# Altium PCB GE21_M1_pku_f100.PcbDoc (part 1 of 19) (continued)
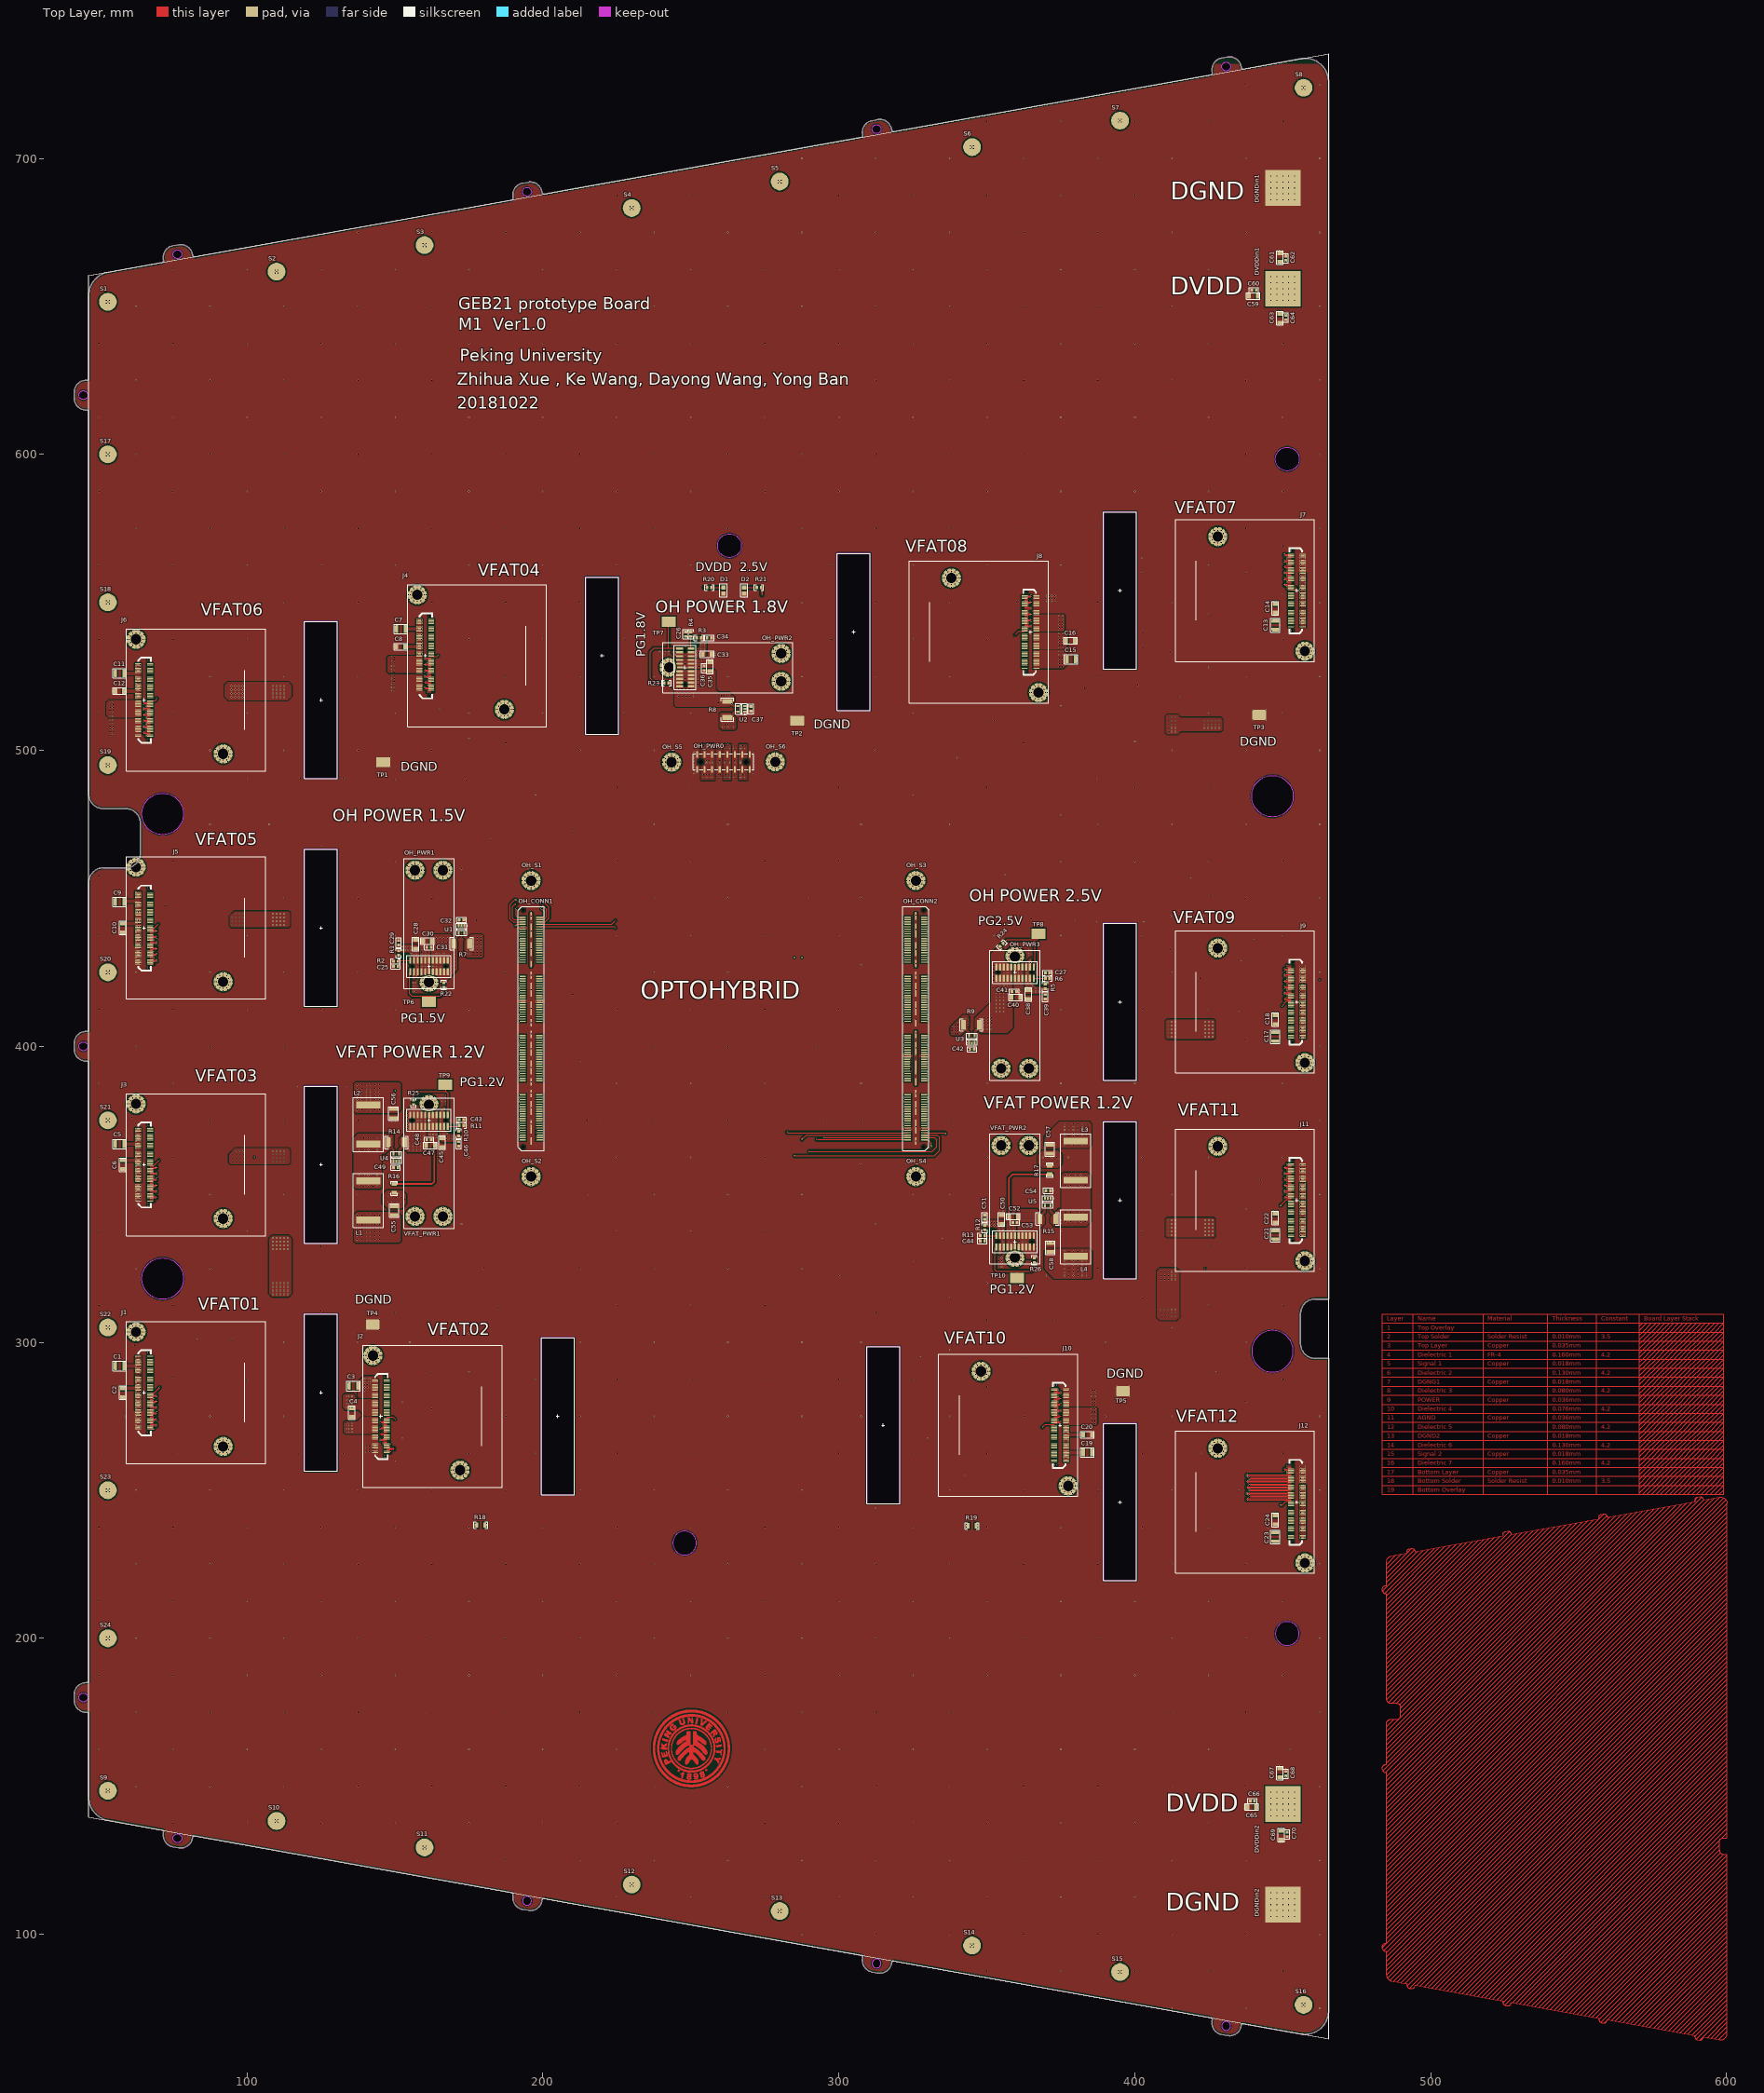
[diagram p0: Top Layer view]
## Footprints (in the part's own frame and the unit in brackets; to place one, negate y for a bottom-side part, rotate by r counter-clockwise, add the part's x,y. Pads: shape width x height; smd on the part's side, far side on the other; paste and mask are expansions set on the pad)
C0603 [mm]
  rect 0.9x1 smd: 1(-0.75,0) 2(0.75,0)
  silkscreen extent -1.6,-0.9 1.6,0.9
C1206 [mm]
  rect 1.3x1.8 smd: 1(-1.5,0) 2(1.5,0)
  silkscreen extent -2.3,-1.1 2.3,1.1
C1210 [mm]
  rect 1.2x2.7 smd: 1(-1.5,0) 2(1.5,0)
  silkscreen extent -2.3,-1.6 2.3,1.6
CuurentSense2512 [mm]
  rect 1.6x3.4 smd: 1(-2.7,0) 2(2.7,0)
  silkscreen extent -3.9,-2.1 3.9,2.1
EYELET-pku-M1 [mm]
  round 6 / inner round 2 / far side round 2 hole 0.201: 1(0,0)
FEAST-pku-M1-2 [mil]
  oval 240.16x208.66 / inner oval 240.16x208.66 / far side round 78.74 all layers, no hole: 0(0,230.31)
  oval 255.91x177.17 / inner oval 255.91x177.17 / far side round 78.74 all layers, no hole: 0(0,216.54)
  rect 29x90.31 smd mask+0.63: 1(250,70.16) 2(200,70.16) 3(150,70.16) 4(100,70.16) 8(-100,70.16) 9(-150,70.16) 10(-200,70.16) 11(-250,70.16) 12(250,-80) 13(200,-80) 14(150,-80) 15(100,-80) 16(50,-80) 17(0,-80) 18(-50,-80) 19(-100,-80) 20(-150,-80) 21(-200,-80) 22(-250,-80)
  oct 29x90.31 smd mask+0.63: 5(50,70.16) 7(-50,70.16)
  rect 29x82.44 smd mask+0.63: 6(0,66.22)
  round 19.68 hole 40 unplated: 23(-225,0) 24(225,0)
  round 177.17 / inner round 177.17 / far side round 137.8 hole 137.8 unplated paste+0: 25(0,208.27)
  round 255.91 / inner round 255.91 / far side round 137.8 hole 137.8 unplated paste+0: 26(-185.04,-1279.13) 27(185.04,-1279.13)
  silkscreen extent -335,-1437 335,295
HW-08-16-F-D-290-SM [mm]
  rect 2.2x0.65 smd: 1(2.5,-8.89) 2(-2.5,-8.89) 3(2.5,-6.35) 4(-2.5,-6.35) 5(2.5,-3.81) 6(-2.5,-3.81) 7(2.5,-1.27) 8(-2.5,-1.27) 9(2.5,1.27) 10(-2.5,1.27) 11(2.5,3.81) 12(-2.5,3.81) 13(2.5,6.35) 14(-2.5,6.35) 15(2.5,8.89) 16(-2.5,8.89)
  round 0.5 hole 1.65 unplated: ""(-0.013,-7.62) ""(0,7.62)
  silkscreen extent -2.67,-10.29 2.67,10.29, body extent -3.3,-10.16 3.28,10.16, height 3.67
Inductor_500nh [mm]
  rect 2.29x8.26 smd: 1(0,0) 2(13.2,0)
  silkscreen extent -2.5,-5.1 15.7,5.1
L0805 [mm]
  rect 1.4x1.5 smd: 1(-1,0) 2(1,0)
  silkscreen extent -2.2,-1.25 2.2,1.25, body extent -1.07,-0.7 1.08,0.7, height 0.7
R0603 [mm]
  rect 0.9x1 smd: 1(-0.75,0) 2(0.75,0)
  silkscreen extent -1.6,-0.9 1.6,0.9
R1206 [mm]
  rect 1.3x1.8 smd: 1(-1.5,0) 2(1.5,0)
  silkscreen extent -2.4,-1.1 2.4,1.1
SAMTEC-160 [mm]
  rect 2.27x0.41 smd: 1(2.865,37.6) 2(-2.865,37.6) 3(2.865,36.8) 4(-2.865,36.8) 5(2.865,36) 6(-2.865,36) 7(2.865,35.2) 8(-2.865,35.2) 9(2.865,34.4) 10(-2.865,34.4) 11(2.865,33.6) 12(-2.865,33.6) 13(2.865,32.8) 14(-2.865,32.8) 15(2.865,32) 16(-2.865,32) 17(2.865,31.2) 18(-2.865,31.2) 19(2.865,30.4) 20(-2.865,30.4) 21(2.865,29.6) 22(-2.865,29.6) 23(2.865,28.8) 24(-2.865,28.8) 25(2.865,28) 26(-2.865,28) 27(2.865,27.2) 28(-2.865,27.2) 29(2.865,26.4) 30(-2.865,26.4) 31(2.865,25.6) 32(-2.865,25.6) 33(2.865,24.8) 34(-2.865,24.8) 35(2.865,24) 36(-2.865,24) 37(2.865,23.2) 38(-2.865,23.2) 39(2.865,22.4) 40(-2.865,22.4) 41(2.865,17.6) 42(-2.865,17.6) 43(2.865,16.8) 44(-2.865,16.8) 45(2.865,16) 46(-2.865,16) 47(2.865,15.2) 48(-2.865,15.2) 49(2.865,14.4) 50(-2.865,14.4) 51(2.865,13.6) 52(-2.865,13.6) 53(2.865,12.8) 54(-2.865,12.8) 55(2.865,12) 56(-2.865,12) 57(2.865,11.2) 58(-2.865,11.2) 59(2.865,10.4) 60(-2.865,10.4) 61(2.865,9.6) 62(-2.865,9.6) 63(2.865,8.8) 64(-2.865,8.8) 65(2.865,8) 66(-2.865,8) 67(2.865,7.2) 68(-2.865,7.2) 69(2.865,6.4) 70(-2.865,6.4) 71(2.865,5.6) 72(-2.865,5.6) 73(2.865,4.8) 74(-2.865,4.8) 75(2.865,4) 76(-2.865,4) 77(2.865,3.2) 78(-2.865,3.2) 79(2.865,2.4) 80(-2.865,2.4) 81(2.865,-2.4) 82(-2.865,-2.4) 83(2.865,-3.2) 84(-2.865,-3.2) 85(2.865,-4) 86(-2.865,-4) 87(2.865,-4.8) 88(-2.865,-4.8) 89(2.865,-5.6) 90(-2.865,-5.6) 91(2.865,-6.4) 92(-2.865,-6.4) 93(2.865,-7.2) 94(-2.865,-7.2) 95(2.865,-8) 96(-2.865,-8) 97(2.865,-8.8) 98(-2.865,-8.8) 99(2.865,-9.6) 100(-2.865,-9.6) 101(2.865,-10.4) 102(-2.865,-10.4) 103(2.865,-11.2) 104(-2.865,-11.2) 105(2.865,-12) 106(-2.865,-12) 107(2.865,-12.8) 108(-2.865,-12.8) 109(2.865,-13.6) 110(-2.865,-13.6) 111(2.865,-14.4) 112(-2.865,-14.4) 113(2.865,-15.2) 114(-2.865,-15.2) 115(2.865,-16) 116(-2.865,-16) 117(2.865,-16.8) 118(-2.865,-16.8) 119(2.865,-17.6) 120(-2.865,-17.6) 121(2.865,-22.4) 122(-2.865,-22.4) 123(2.865,-23.2) 124(-2.865,-23.2) 125(2.865,-24) 126(-2.865,-24) 127(2.865,-24.8) 128(-2.865,-24.8) 129(2.865,-25.6) 130(-2.865,-25.6) 131(2.865,-26.4) 132(-2.865,-26.4) 133(2.865,-27.2) 134(-2.865,-27.2) 135(2.865,-28) 136(-2.865,-28) 137(2.865,-28.8) 138(-2.865,-28.8) 139(2.865,-29.6) 140(-2.865,-29.6) 141(2.865,-30.4) 142(-2.865,-30.4) 143(2.865,-31.2) 144(-2.865,-31.2) 145(2.865,-32) 146(-2.865,-32) 147(2.865,-32.8) 148(-2.865,-32.8) 149(2.865,-33.6) 150(-2.865,-33.6) 151(2.865,-34.4) 152(-2.865,-34.4) 153(2.865,-35.2) 154(-2.865,-35.2) 155(2.865,-36) 156(-2.865,-36) 157(2.865,-36.8) 158(-2.865,-36.8) 159(2.865,-37.6) 160(-2.865,-37.6)
  rect 0.43x2.54 smd: 161(0,38.065) 164(0,21.935) 165(0,18.065) 168(0,1.935) 169(0,-1.935) 172(0,-18.065) 173(0,-21.935) 176(0,-38.065)
  rect 0.43x4.7 smd: 162(0,33.175) 163(0,26.825) 166(0,13.175) 167(0,6.825) 170(0,-6.825) 171(0,-13.175) 174(0,-26.825) 175(0,-33.175)
  round 0 hole 1.02 unplated: 177(-2.67,40.065) 178(-2.67,-40.065)
  silkscreen extent -4.4,-41.2 4.4,41.2
SOLDERPAD [mm]
  rect 12x12 smd: 1(0,0)
sot23-5 [mm]
  rect 1.1x0.65 smd: 1(1.2,-0.95) 3(1.2,0.95) 4(-1.2,0.95) 5(-1.2,-0.95)
  rect 1.1x0.63 smd: 2(1.2,0)
  silkscreen extent -2,-1.95 2,1.8, body extent -1.4,-1.55 1.4,1.55, height 1.45
Standoff-pku-M1-2 [mm]
  round 6.5 / inner round 6.5 / far side round 3.5 hole 3.5 unplated paste+0: 1(0,0)
TP_GEB [mm]
  rect 3.43x4.7 smd: 1(0,0)
VFAT-pku-M1-3 [mm]
  rrect50% 0.25x2 smd mask+0: 1(-12.25,-61.75) 2(-12.25,-57.75) 3(-11.75,-61.75) 4(-11.75,-57.75) 5(-11.25,-61.75) 6(-11.25,-57.75) 7(-10.75,-61.75) 8(-10.75,-57.75) 9(-10.25,-61.75) 10(-10.25,-57.75) 11(-9.75,-61.75) 12(-9.75,-57.75) 13(-9.25,-61.75) 14(-9.25,-57.75) 15(-8.75,-61.75) 16(-8.75,-57.75) 17(-8.25,-61.75) 18(-8.25,-57.75) 19(-7.75,-61.75) 20(-7.75,-57.75) 21(-7.25,-61.75) 22(-7.25,-57.75) 23(-6.75,-61.75) 24(-6.75,-57.75) 25(-6.25,-61.75) 26(-6.25,-57.75) 27(-5.75,-61.75) 28(-5.75,-57.75) 29(-5.25,-61.75) 30(-5.25,-57.75) 31(-4.75,-61.75) 32(-4.75,-57.75) 33(-4.25,-61.75) 34(-4.25,-57.75) 35(-3.75,-61.75) 36(-3.75,-57.75) 37(-3.25,-61.75) 38(-3.25,-57.75) 39(-2.75,-61.75) 40(-2.75,-57.75) 41(-2.25,-61.75) 42(-2.25,-57.75) 43(-1.75,-61.75) 44(-1.75,-57.75) 45(-1.25,-61.75) 46(-1.25,-57.75) 47(-0.75,-61.75) 48(-0.75,-57.75) 49(-0.25,-61.75) 50(-0.25,-57.75) 51(0.25,-61.75) 52(0.25,-57.75) 53(0.75,-61.75) 54(0.75,-57.75) 55(1.25,-61.75) 56(1.25,-57.75) 57(1.75,-61.75) 58(1.75,-57.75) 59(2.25,-61.75) 60(2.25,-57.75) 61(2.75,-61.75) 62(2.75,-57.75) 63(3.25,-61.75) 64(3.25,-57.75) 65(3.75,-61.75) 66(3.75,-57.75) 67(4.25,-61.75) 68(4.25,-57.75) 69(4.75,-61.75) 70(4.75,-57.75) 71(5.25,-61.75) 72(5.25,-57.75) 73(5.75,-61.75) 74(5.75,-57.75) 75(6.25,-61.75) 76(6.25,-57.75) 77(6.75,-61.75) 78(6.75,-57.75) 79(7.25,-61.75) 80(7.25,-57.75) 81(7.75,-61.75) 82(7.75,-57.75) 83(8.25,-61.75) 84(8.25,-57.75) 85(8.75,-61.75) 86(8.75,-57.75) 87(9.25,-61.75) 88(9.25,-57.75) 89(9.75,-61.75) 90(9.75,-57.75) 91(10.25,-61.75) 92(10.25,-57.75) 93(10.75,-61.75) 94(10.75,-57.75) 95(11.25,-61.75) 96(11.25,-57.75) 97(11.75,-61.75) 98(11.75,-57.75) 99(12.25,-61.75) 100(12.25,-57.75)
  round 0.75 hole 0.75 unplated mask+0: 101(-13.55,-58.25) 102(13.55,-58.25)
  round 6.5 / inner round 6.5 / far side round 3.5 hole 3.5 unplated paste+0: 103(-20.52,-62.462) 104(18.19,-33.022)
  Keep-Out Layer board cut-out: -26.5,5.6 -26.5,-5.6 26.5,-5.6 26.5,5.6
  silkscreen extent -26.5,-67.75 26.5,5.6

## Part data
C1 C2 C3 C4 C5 C6 C7 C8 C9 C10 C11 C12 C13 C14 C15 C16 C17 C18 C19 C20 C21 C22 C23 C24 C25 C26 C27 C28 C29 C30 C31 C32 C33 C34 C35 C36 C37 C38 C39 C40 C41 C42 C43 C44 C45 C46 C47 C48 C49 C50 C51 C52 C53 C54 C55 C56 C57 C58 C59 C60 C61 C62 C63 C64 C65 C66 C67 C68 C69 C70: library part "CAP NP"
L1 L2 L3 L4: library part INDUCTOR
OH_PWR0: library part HLE-108-02-F-DV-A
R1 R2 R3 R4 R5 R6 R7 R8 R9 R10 R11 R12 R13 R14 R15 R16 R17 R18 R19: library part R_Dup1
R20 R21 R22 R23 R24 R25 R26: library part R

## Via types
v1: diameter 0.508, hole 0.203, Top Layer to Bottom Layer, tented both sides, 1688 vias
v2: diameter 0.402/0.402/0.402/0.201 (per signal layer), hole 0.201, Top Layer to Bottom Layer, tented both sides, 1040 vias
v3: diameter 0.507, hole 0.202, Top Layer to Bottom Layer, tented both sides, 780 vias
v4: diameter 0.4, hole 0, Top Layer to Bottom Layer, tented both sides, 438 vias
v5: diameter 0.4, hole 0.2, Top Layer to Bottom Layer, tented both sides, 288 vias
v6: diameter 0.51, hole 0.204, Top Layer to Bottom Layer, tented both sides, 288 vias
v7: diameter 0.6/0.4/0.4/0.4 (per signal layer), hole 0.3, Top Layer to Bottom Layer, tented both sides, 254 vias
v8: diameter 0.402, hole 0.201, Top Layer to Bottom Layer, tented both sides, 96 vias

## Nets (pads, with @x,y where several pads share a name; then routed paths per layer and width w, separated by ;. In a path a pad name is that pad's centre, name@x,y a point inside that pad or via, vN(x,y) a via of type N, cw(c..) or ccw(c..) an arc to the next point about the centre after c; other vN are vias at no path point)
1V2AVFAT1: C1.1 C3.1 C5.1 C7.1 C9.1 C11.1 C55.1 J1.1 J1.3 J1.5 J1.7 J1.9 J1.11 J1.13 J1.15 J1.17 J1.19 J1.21 J1.23 J1.25 J2.1 J2.3 J2.5 J2.7 J2.9 J2.11 J2.13 J2.15 J2.17 J2.19 J2.21 J2.23 J2.25 J3.1 J3.3 J3.5 J3.7 J3.9 J3.11 J3.13 J3.15 J3.17 J3.19 J3.21 J3.23 J3.25 J4.1 J4.3 J4.5 J4.7 J4.9 J4.11 J4.13 J4.15 J4.17 J4.19 J4.21 J4.23 J4.25 J5.1 J5.3 J5.5 J5.7 J5.9 J5.11 J5.13 J5.15 J5.17 J5.19 J5.21 J5.23 J5.25 J6.1 J6.3 J6.5 J6.7 J6.9 J6.11 J6.13 J6.15 J6.17 J6.19 J6.21 J6.23 J6.25 L1.2
  other v1: 139.75,283.75 139.75,284.75 140.75,284.75 139.75,285.75 140.75,285.75 141.75,285.75 139.75,286.75 140.75,286.75 141.75,286.75 139.75,287.75 140.75,287.75 141.75,287.75 62.5,290 64,290 62.5,291 64,291 62.5,292 64,292 62.5,293 64,293 62.5,294 64,294 62.5,295 64,295 62.5,367 64,367 62.5,368 64,368 62.5,369 64,369 62.5,370 64,370 62.5,371 64,371 62.5,372 64,372 62.5,447 64,447 62.5,448 64,448 62.5,449 64,449 62.5,450 64,450 62.5,451 64,451 62.5,452 64,452 62.5,524 64,524 62.5,525 64,525 62.5,526 64,526 62.5,527 64,527 62.5,528 64,528 62.5,529 64,529 157.5,539 159,539 157.5,540 159,540 157.5,541 159,541 157.5,542 159,542 157.5,543 159,543 157.5,544 159,544
  other v3: 137.25,334.75 138.75,334.75 140.25,334.75 141.75,334.75 143.25,334.75 144.75,334.75 137.25,336 138.75,336 140.25,336 141.75,336 143.25,336 144.75,336 137.25,337.25 138.75,337.25 140.25,337.25 141.75,337.25 143.25,337.25 144.75,337.25 137.25,338.5 138.75,338.5 140.25,338.5 141.75,338.5 143.25,338.5 144.75,338.5 137.25,339.75 138.75,339.75 140.25,339.75 141.75,339.75 143.25,339.75 144.75,339.75 137.25,343 138.75,343 140.25,343 141.75,343 143.25,343 144.75,343
1V2AVFAT2: C13.1 C15.1 C17.1 C19.1 C21.1 C23.1 C57.1 J7.1 J7.3 J7.5 J7.7 J7.9 J7.11 J7.13 J7.15 J7.17 J7.19 J7.21 J7.23 J7.25 J8.1 J8.3 J8.5 J8.7 J8.9 J8.11 J8.13 J8.15 J8.17 J8.19 J8.21 J8.23 J8.25 J9.1 J9.3 J9.5 J9.7 J9.9 J9.11 J9.13 J9.15 J9.17 J9.19 J9.21 J9.23 J9.25 J10.1 J10.3 J10.5 J10.7 J10.9 J10.11 J10.13 J10.15 J10.17 J10.19 J10.21 J10.23 J10.25 J11.1 J11.3 J11.5 J11.7 J11.9 J11.11 J11.13 J11.15 J11.17 J11.19 J11.21 J11.23 J11.25 J12.1 J12.3 J12.5 J12.7 J12.9 J12.11 J12.13 J12.15 J12.17 J12.19 J12.21 J12.23 J12.25 L3.2
  other v1: 456,234 457.5,234 456,235 457.5,235 456,236 457.5,236 446.25,236.25 448.75,236.25 456,237 457.5,237 456,238 457.5,238 456,239 457.5,239 376,260 377.5,260 376,261 377.5,261 376,262 377.5,262 376,263 377.5,263 376,264 377.5,264 376,265 377.5,265 456,336 457.5,336 456,337 457.5,337 456,338 457.5,338 446.25,338.25 448.75,338.25 456,339 457.5,339 456,340 457.5,340 456,341 457.5,341 456,403 457.5,403 456,404 457.5,404 456,405 457.5,405 446.25,405.25 448.75,405.25 456,406 457.5,406 456,407 457.5,407 456,408 457.5,408 374.5,528.25 375.5,528.25 374.5,529.25 375.5,529.25 374.5,530.25 375.5,530.25 374.5,531.25 375.5,531.25 374.5,532.25 375.5,532.25 374.5,533.25 375.5,533.25 456,542 457.5,542 456,543 457.5,543 456,544 457.5,544 446.25,544.25 448.75,544.25 456,545 457.5,545 456,546 457.5,546 456,547 457.5,547
  other v3: 376.25,366.5 377.75,366.5 379.25,366.5 380.75,366.5 382.25,366.5 383.75,366.5 376.25,369.75 377.75,369.75 379.25,369.75 380.75,369.75 382.25,369.75 383.75,369.75 376.25,370.75 377.75,370.75 379.25,370.75 380.75,370.75 382.25,370.75 383.75,370.75 376.25,371.75 377.75,371.75 379.25,371.75 380.75,371.75 382.25,371.75 383.75,371.75 376.25,372.75 377.75,372.75 379.25,372.75 380.75,372.75 382.25,372.75 383.75,372.75 376.25,373.75 377.75,373.75 379.25,373.75 380.75,373.75 382.25,373.75 383.75,373.75
  other v7: 408.75,308.75 410,308.75 411.25,308.75 412.5,308.75 413.75,308.75 408.75,310 410,310 411.25,310 412.5,310 413.75,310 408.75,311.25 410,311.25 411.25,311.25 412.5,311.25 413.75,311.25 408.75,321.25 410,321.25 411.25,321.25 412.5,321.25 413.75,321.25 408.75,322.5 410,322.5 411.25,322.5 412.5,322.5 413.75,322.5 408.75,323.75 410,323.75 411.25,323.75 412.5,323.75 413.75,323.75 411.25,336.25 412.5,336.25 413.75,336.25 423.75,336.25 425,336.25 426.25,336.25 411.25,337.5 412.5,337.5 413.75,337.5 423.75,337.5 425,337.5 426.25,337.5 411.25,338.75 412.5,338.75 413.75,338.75 423.75,338.75 425,338.75 426.25,338.75 411.25,340 412.5,340 413.75,340 423.75,340 425,340 426.25,340 411.25,341.25 412.5,341.25 413.75,341.25 423.75,341.25 425,341.25 426.25,341.25 411.25,403.25 412.5,403.25 413.75,403.25 423.75,403.25 425,403.25 426.25,403.25 411.25,404.5 412.5,404.5 413.75,404.5 423.75,404.5 425,404.5 426.25,404.5 411.25,405.75 412.5,405.75 413.75,405.75 423.75,405.75 425,405.75 426.25,405.75 411.25,407 412.5,407 413.75,407 423.75,407 425,407 426.25,407 411.25,408.25 412.5,408.25 413.75,408.25 423.75,408.25 425,408.25 426.25,408.25 411.25,506.25 412.5,506.25 413.75,506.25 411.25,507.5 412.5,507.5 413.75,507.5 423.5,507.5 424.75,507.5 426,507.5 427.25,507.5 428.5,507.5 411.25,508.75 412.5,508.75 413.75,508.75 423.5,508.75 424.75,508.75 426,508.75 427.25,508.75 428.5,508.75 411.25,510 412.5,510 413.75,510 423.5,510 424.75,510 426,510 427.25,510 428.5,510 411.25,511.25 412.5,511.25 413.75,511.25
1V2DVFAT1: C2.1 C4.1 C6.1 C8.1 C10.1 C12.1 C56.1 J1.27 J1.29 J1.31 J1.33 J1.35 J1.37 J1.39 J1.41 J1.43 J1.45 J1.47 J1.49 J2.27 J2.29 J2.31 J2.33 J2.35 J2.37 J2.39 J2.41 J2.43 J2.45 J2.47 J2.49 J3.27 J3.29 J3.31 J3.33 J3.35 J3.37 J3.39 J3.41 J3.43 J3.45 J3.47 J3.49 J4.27 J4.29 J4.31 J4.33 J4.35 J4.37 J4.39 J4.41 J4.43 J4.45 J4.47 J4.49 J5.27 J5.29 J5.31 J5.33 J5.35 J5.37 J5.39 J5.41 J5.43 J5.45 J5.47 J5.49 J6.27 J6.29 J6.31 J6.33 J6.35 J6.37 J6.39 J6.41 J6.43 J6.45 J6.47 J6.49 L2.2
  other v1: 133.5,278 134.5,278 135.5,278 133.5,279.25 134.5,279.25 135.5,279.25 133.5,280.5 134.5,280.5 135.5,280.5 133.5,281.75 134.5,281.75 135.5,281.75 62.5,283.5 64,283.5 62.5,284.5 64,284.5 62.5,285.5 64,285.5 62.5,286.5 64,286.5 62.5,287.5 64,287.5 62.5,288.5 64,288.5 62.5,360.5 64,360.5 62.5,361.5 64,361.5 62.5,362.5 64,362.5 62.5,363.5 64,363.5 62.5,364.5 64,364.5 62.5,365.5 64,365.5 62.5,440.5 63.25,440.5 64,440.5 62.5,441.5 63.25,441.5 64,441.5 62.5,442.5 63.25,442.5 64,442.5 62.5,445.5 63.25,445.5 64,445.5 62.5,517.5 64,517.5 62.5,518.5 64,518.5 62.5,519.5 64,519.5 62.5,520.5 64,520.5 62.5,521.5 64,521.5 62.5,522.5 64,522.5 157.5,532.5 159,532.5 157.5,533.5 159,533.5 157.5,534.5 159,534.5 157.5,535.5 159,535.5 157.5,536.5 159,536.5 157.5,537.5 159,537.5
  other v3: 137.25,378.5 138.75,378.5 140.25,378.5 141.75,378.5 143.25,378.5 144.75,378.5 137.25,382 138.75,382 140.25,382 141.75,382 143.25,382 144.75,382 137.25,383.25 138.75,383.25 140.25,383.25 141.75,383.25 143.25,383.25 144.75,383.25 137.25,384.5 138.75,384.5 140.25,384.5 141.75,384.5 143.25,384.5 144.75,384.5 137.25,385.75 138.75,385.75 140.25,385.75 141.75,385.75 143.25,385.75 144.75,385.75 137.25,387 138.75,387 140.25,387 141.75,387 143.25,387 144.75,387
  other v7: 108.75,316.25 110,316.25 111.25,316.25 112.5,316.25 113.75,316.25 108.75,317.5 110,317.5 111.25,317.5 112.5,317.5 113.75,317.5 108.75,318.75 110,318.75 111.25,318.75 112.5,318.75 113.75,318.75 108.75,320 110,320 111.25,320 112.5,320 113.75,320 108.75,331.5 110,331.5 111.25,331.5 112.5,331.5 113.75,331.5 108.75,332.75 110,332.75 111.25,332.75 112.5,332.75 113.75,332.75 108.75,334 110,334 111.25,334 112.5,334 113.75,334 108.75,335.25 110,335.25 111.25,335.25 112.5,335.25 113.75,335.25 95,361 96.25,361 97.5,361 98.75,361 108.75,361 110,361 111.25,361 112.5,361 95,362.25 96.25,362.25 97.5,362.25 98.75,362.25 108.75,362.25 110,362.25 111.25,362.25 112.5,362.25 95,363.5 96.25,363.5 97.5,363.5 98.75,363.5 108.75,363.5 110,363.5 111.25,363.5 112.5,363.5 96.25,364.75 97.5,364.75 98.75,364.75 108.75,364.75 110,364.75 111.25,364.75 112.5,364.75 95,441 96.25,441 97.5,441 98.75,441 108.75,441 110,441 111.25,441 112.5,441 95,442.25 96.25,442.25 97.5,442.25 98.75,442.25 108.75,442.25 110,442.25 111.25,442.25 112.5,442.25 95,443.5 96.25,443.5 97.5,443.5 98.75,443.5 108.75,443.5 110,443.5 111.25,443.5 112.5,443.5 96.25,444.75 97.5,444.75 98.75,444.75 108.75,444.75 110,444.75 111.25,444.75 112.5,444.75 94.75,518 96,518 97.25,518 98.5,518 108.75,518 110,518 111.25,518 112.5,518 94.75,519.25 96,519.25 97.25,519.25 98.5,519.25 108.75,519.25 110,519.25 111.25,519.25 112.5,519.25 94.75,520.5 96,520.5 97.25,520.5 98.5,520.5 108.75,520.5 110,520.5 111.25,520.5 112.5,520.5 94.75,521.75 96,521.75 97.25,521.75 98.5,521.75 108.75,521.75 110,521.75 111.25,521.75 112.5,521.75
1V2DVFAT2: C14.1 C16.1 C18.1 C20.1 C22.1 C24.1 C58.1 J7.27 J7.29 J7.31 J7.33 J7.35 J7.37 J7.39 J7.41 J7.43 J7.45 J7.47 J7.49 J8.27 J8.29 J8.31 J8.33 J8.35 J8.37 J8.39 J8.41 J8.43 J8.45 J8.47 J8.49 J9.27 J9.29 J9.31 J9.33 J9.35 J9.37 J9.39 J9.41 J9.43 J9.45 J9.47 J9.49 J10.27 J10.29 J10.31 J10.33 J10.35 J10.37 J10.39 J10.41 J10.43 J10.45 J10.47 J10.49 J11.27 J11.29 J11.31 J11.33 J11.35 J11.37 J11.39 J11.41 J11.43 J11.45 J11.47 J11.49 J12.27 J12.29 J12.31 J12.33 J12.35 J12.37 J12.39 J12.41 J12.43 J12.45 J12.47 J12.49 L4.2
  other v1: 456,240.5 457.5,240.5 456,241.5 457.5,241.5 446.75,242.25 448.25,242.25 456,242.5 457.5,242.5 456,243.5 457.5,243.5 456,244.5 457.5,244.5 456,245.5 457.5,245.5 376,266.5 377.5,266.5 376,267.5 377.5,267.5 376,268.5 377.5,268.5 376,269.5 377.5,269.5 376,270.5 377.5,270.5 376,271.5 377.5,271.5 456,342.5 457.5,342.5 456,343.5 457.5,343.5 446.75,344.25 448.25,344.25 456,344.5 457.5,344.5 456,345.5 457.5,345.5 456,346.5 457.5,346.5 456,347.5 457.5,347.5 456,409.5 457.5,409.5 456,410.5 457.5,410.5 446.75,411.25 448.25,411.25 456,411.5 457.5,411.5 456,412.5 457.5,412.5 456,413.5 457.5,413.5 456,414.5 457.5,414.5 374.5,534.5 375.5,534.5 374.5,535.5 375.5,535.5 374.5,536.5 375.5,536.5 374.5,537.5 375.5,537.5 374.5,538.5 375.5,538.5 374.5,539.5 375.5,539.5 456,548.5 457.5,548.5 456,549.5 457.5,549.5 446.75,550.25 448.25,550.25 456,550.5 457.5,550.5 456,551.5 457.5,551.5 456,552.5 457.5,552.5 456,553.5 457.5,553.5
  other v3: 376.25,322.5 377.75,322.5 379.25,322.5 380.75,322.5 382.25,322.5 383.75,322.5 376.25,323.75 377.75,323.75 379.25,323.75 380.75,323.75 382.25,323.75 383.75,323.75 376.25,325 377.75,325 379.25,325 380.75,325 382.25,325 383.75,325 376.25,326.25 377.75,326.25 379.25,326.25 380.75,326.25 382.25,326.25 383.75,326.25 376.25,327.5 377.75,327.5 379.25,327.5 380.75,327.5 382.25,327.5 383.75,327.5 376.25,330.75 377.75,330.75 379.25,330.75 380.75,330.75 382.25,330.75 383.75,330.75
1V2VFAT1: L1.1 L2.1 R14.2 U4.5
  other v3: 138,352.75 139.5,352.75 141,352.75 142.5,352.75 144,352.75 138,356.5 139.5,356.5 141,356.5 142.5,356.5 144,356.5 138,365 139.5,365 141,365 142.5,365 144,365 146,365.75 148.5,366 146,366.75 146,367.75 146,368.75 138,369 139.5,369 141,369 142.5,369 144,369 146,369.75 147.25,370 148.5,370
1V2VFAT2: L3.1 L4.1 R15.2 U5.5
  other v3: 373,339.75 374,339.75 375,340.25 376.75,340.75 378.25,340.75 380,340.75 381.75,340.75 383.25,340.75 375,341.25 375,342.25 372.5,343.25 375,343.25 376.75,344 378.25,344 380,344 381.75,344 383.25,344 375,344.25 376.75,353 378.25,353 380,353 381.75,353 383.25,353 376.75,356.5 378.25,356.5 380,356.5 381.75,356.5 383.25,356.5